# Altium PCB RFSoC-AMC.PcbDoc (part 11 of 12)
Units mm, origin at the board's own origin, x right, y up, seen from the top; angles counter-clockwise.
Board outline 180.55 x 148.45 mm, 10 copper layers (Layer 1, Layer 2, Layer 3, Layer 4, Layer 5, Layer 6, Layer 7, Layer 8, Layer 9, Layer 10), stack 1.544 mm thick; 793 components, 796 nets, 7654 pads, 16 vias.
Unrouted connection lines stored in the file: 2880.
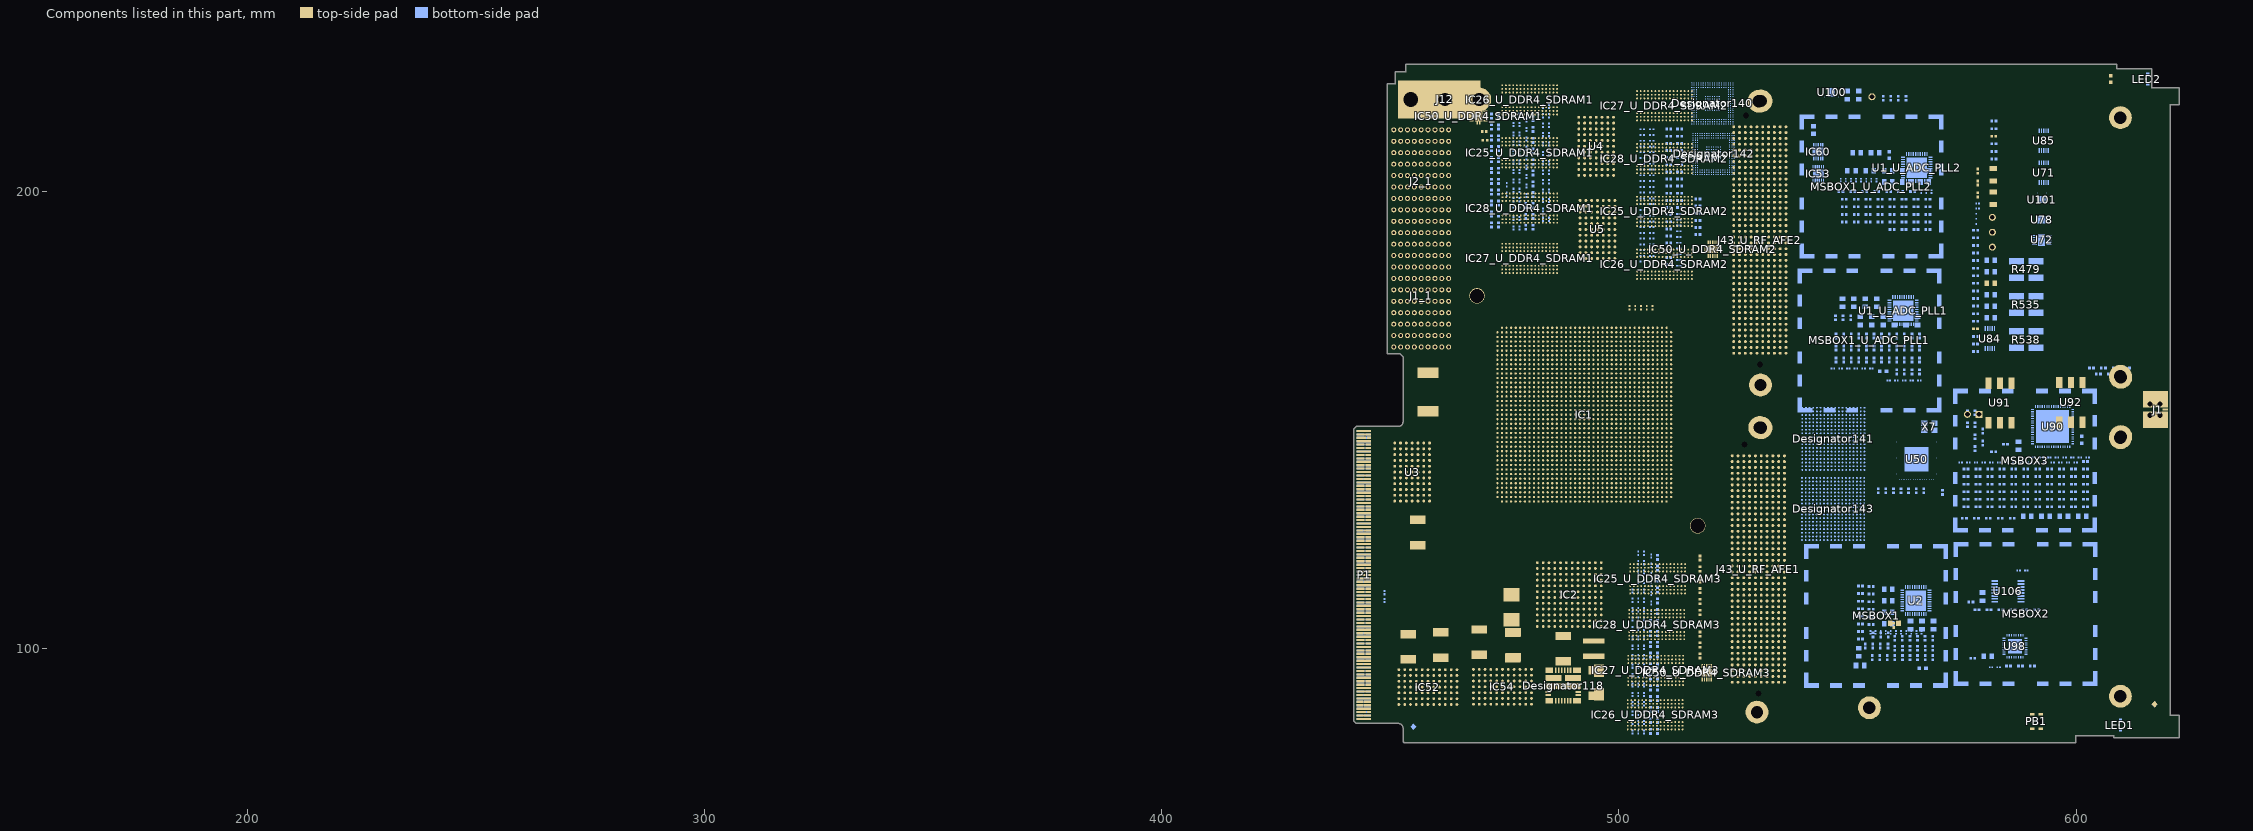
[diagram p19: the components of this part, seen from the top]

## Silkscreen, mask and mechanical layers (free items; w line width, h text height) (continued)
Drill Drawing: (continued)
  text "C" at 265.96,127.387 h0.2
  text "C" at 261.466,127.244 h0.2
  text "C" at 262.278,127.172 h0.2
  text "C" at 261.836,126.896 h0.2
  text "C" at 197.143,126.591 h0.2
  text "D" at 293.35,126.414 h0.3
  text "C" at 261.768,126.289 h0.2
  text "C" at 248.659,126.152 h0.2
  text "C" at 254.745,126.097 h0.2
  text "C" at 262.803,126.095 h0.2
  text "C" at 251.399,126.06 h0.2
  text "C" at 257.711,126.054 h0.2
  text "E" at 294.115,126.057 h0.6
  text "E" at 295.615,126.057 h0.6
  text "E" at 297.115,126.057 h0.6
  text "E" at 298.615,126.057 h0.6
  text "E" at 300.115,126.057 h0.6
  text "E" at 301.615,126.057 h0.6
  text "E" at 303.115,126.057 h0.6
  text "E" at 304.615,126.057 h0.6
  text "D" at 611.03,125.818 h0.3 r180
  text "C" at 261.727,125.71 h0.2
  text "C" at 262.673,125.407 h0.2
  text "C" at 264.995,125.192 h0.2
  text "C" at 200.865,125.086 h0.2
  text "C" at 262.169,124.752 h0.2
  text "C" at 253.195,124.49 h0.2
  text "C" at 259.178,124.49 h0.2
  text "C" at 262.76,124.423 h0.2
  text "C" at 195.934,123.984 h0.2
  text "C" at 247.924,123.922 h0.2
  text "A" at 256.531,123.919 h2.03
  text "A" at 258.213,123.913 h2.03
  text "F" at 611.151,123.754 h1 r180
  text "E" at 294.115,123.557 h0.6
  text "E" at 295.615,123.557 h0.6
  text "E" at 297.115,123.557 h0.6
  text "E" at 298.615,123.557 h0.6
  text "E" at 300.115,123.557 h0.6
  text "E" at 301.615,123.557 h0.6
  text "E" at 303.115,123.557 h0.6
  text "E" at 304.615,123.557 h0.6
  text "D" at 264.137,123.155 h0.3
  text "D" at 260.305,123.121 h0.3
  text "D" at 609.098,122.923 h0.3 r180
  text "A" at 245.908,122.489 h2.03
  text "U" at 263.2,122.38 h0.9
  text "B" at 261.182,122.348 h2.03
  text "F" at 611.074,122.345 h1 r180
  text "C" at 253.972,121.923 h0.2
  text "G" at 256.117,121.53 h0.8
  text "C" at 569.891,121.528 h0.2
  text "D" at 583.727,121.329 h0.3 r180
  text "C" at 258.238,121.261 h0.2
  text "C" at 569.748,121.265 h0.2
  text "C" at 293.194,121.128 h0.2
  text "E" at 294.115,121.057 h0.6
  text "E" at 295.615,121.057 h0.6
  text "E" at 297.115,121.057 h0.6
  text "E" at 298.615,121.057 h0.6
  text "E" at 300.115,121.057 h0.6
  text "E" at 301.615,121.057 h0.6
  text "E" at 303.115,121.057 h0.6
  text "E" at 304.615,121.057 h0.6
  text "B" at 584.274,120.979 h2.03 r180
  text "M" at 598.348,120.989 h2.55 r180
  text "F" at 611.83,120.854 h1 r180
  text "D" at 558.026,120.835 h0.3
  text "D" at 559.626,120.835 h0.3
  text "D" at 561.226,120.835 h0.3
  text "D" at 562.826,120.835 h0.3
  text "C" at 570.234,120.827 h0.2
  text "B" at 198.235,120.546 h2.03
  text "B" at 202.628,120.511 h2.03
  text "C" at 566.826,120.483 h0.2
  text "B" at 259.138,120.287 h2.03
  text "C" at 565.035,120.121 h0.2
  text "F" at 610.614,120.043 h1 r180
  text "C" at 254.432,119.938 h0.2
  text "C" at 570.615,119.915 h0.2
  text "F" at 192.362,119.835 h1
  text "C" at 569.85,119.755 h0.2
  text "C" at 566.734,119.715 h0.2
  text "C" at 569.291,119.675 h0.2
  text "C" at 256.399,119.662 h0.2
  text "C" at 199.468,119.646 h0.2
  text "C" at 567.365,119.62 h0.2
  text "B" at 582.612,119.37 h2.03 r180
  text "D" at 558.026,119.235 h0.3
  text "D" at 559.626,119.235 h0.3
  text "D" at 561.226,119.235 h0.3
  text "D" at 562.826,119.235 h0.3
  text "D" at 583.661,119.071 h0.3 r180
  text "B" at 202.913,119.055 h2.03
  text "C" at 467.316,119.021 h0.2 r270
  text "C" at 569.996,118.991 h0.2
  text "C" at 566.756,118.853 h0.2
  text "C" at 265.373,118.821 h0.2
  text "A" at 506.066,118.821 h2.03 r90
  text "C" at 482.94,118.667 h0.2
  text "C" at 486.172,118.643 h0.2
  text "C" at 477.698,118.606 h0.2
  text "E" at 294.115,118.557 h0.6
  text "E" at 295.615,118.557 h0.6
  text "E" at 297.115,118.557 h0.6
  text "E" at 298.615,118.557 h0.6
  text "E" at 300.115,118.557 h0.6
  text "E" at 301.615,118.557 h0.6
  text "E" at 303.115,118.557 h0.6
  text "E" at 304.615,118.557 h0.6
  text "D" at 472.188,118.57 h0.3
  text "B" at 582.612,118.566 h2.03 r180
  text "B" at 565.845,118.527 h2.03
  text "C" at 468.354,118.435 h0.2 r270
  text "B" at 293.443,118.353 h2.03
  text "D" at 502.146,118.356 h0.3 r90
  text "C" at 462.329,118.317 h0.2 r270
  text "B" at 201.827,118.133 h2.03
  text "B" at 583.312,118.108 h2.03 r180
  text "B" at 568.344,117.955 h2.03
  text "C" at 480.745,117.703 h0.2
  text "D" at 588.458,117.713 h0.3 r180
  text "F" at 608.82,117.656 h1 r270
  text "D" at 558.026,117.635 h0.3
  text "D" at 559.626,117.635 h0.3
  text "D" at 561.226,117.635 h0.3
  text "D" at 562.826,117.635 h0.3
  text "B" at 202.921,117.603 h2.03
  text "C" at 569.915,117.589 h0.2
  text "D" at 488.09,117.442 h0.3
  text "C" at 555.55,117.43 h0.2
  text "F" at 191.885,117.385 h1
  text "F" at 190.603,117.359 h1
  text "D" at 508.276,117.242 h0.3 r90
  text "D" at 610.58,117.226 h0.3 r270
  text "D" at 502.116,117.078 h0.3 r90
  text "B" at 202.134,117.052 h2.03
  text "D" at 466.557,116.956 h0.3 r270
  text "C" at 555.645,116.866 h0.2
  text "A" at 569.011,116.821 h2.03
  text "B" at 202.89,116.791 h2.03
  text "B" at 582.773,116.692 h2.03 r180
  text "M" at 185.6,116.655 h2.55
  text "C" at 222.96,116.651 h0.2
  text "M" at 262.6,116.655 h2.55
  text "D" at 488.21,116.611 h0.3
  text "B" at 568.331,116.607 h2.03
  text "B" at 215.275,116.564 h2.03
  text "B" at 566.154,116.429 h2.03
  text "C" at 565.899,116.362 h0.2
  text "C" at 222.376,116.322 h0.2
  text "C" at 584.354,116.321 h0.2 r180
  text "C" at 453.76,116.284 h0.2 r270
  text "D" at 467.876,116.276 h0.3 r270
  text "C" at 236.562,116.132 h0.2
  text "D" at 502.116,116.101 h0.3 r90
  text "B" at 216.483,116.091 h2.03
  text "C" at 200.942,116.061 h0.2
  text "E" at 294.115,116.057 h0.6
  text "E" at 295.615,116.057 h0.6
  text "E" at 297.115,116.057 h0.6
  text "E" at 298.615,116.057 h0.6
  text "E" at 300.115,116.057 h0.6
  text "E" at 301.615,116.057 h0.6
  text "E" at 303.115,116.057 h0.6
  text "E" at 304.615,116.057 h0.6
  text "B" at 202.452,115.971 h2.03
  text "C" at 489.563,115.913 h0.2
  text "C" at 464.314,115.903 h0.2 r270
  text "C" at 554.038,115.876 h0.2
  text "B" at 568.796,115.809 h2.03
  text "D" at 208.28,115.71 h0.3
  text "D" at 210.28,115.71 h0.3
  text "D" at 212.28,115.71 h0.3
  text "D" at 214.28,115.71 h0.3
  text "B" at 202.91,115.707 h2.03
  text "B" at 236.799,115.675 h2.03
  text "B" at 238.351,115.583 h2.03
  text "C" at 203.293,115.496 h0.2
  text "C" at 204.579,115.505 h0.2
  text "A" at 506.153,115.499 h2.03 r90
  text "B" at 564.783,115.491 h2.03
  text "A" at 507.466,115.479 h2.03 r90
  text "C" at 216.52,115.454 h0.2
  text "B" at 511.111,115.436 h2.03 r90
  text "A" at 504.669,115.409 h2.03 r90
  text "D" at 508.25,115.425 h0.3 r90
  text "C" at 454.26,115.402 h0.2 r270
  text "A" at 503.327,115.379 h2.03 r90
  text "D" at 227.85,115.33 h0.3
  text "D" at 229.45,115.33 h0.3
  text "D" at 231.05,115.33 h0.3
  text "D" at 232.65,115.33 h0.3
  text "C" at 570.61,115.329 h0.2
  text "C" at 563.942,115.309 h0.2
  text "C" at 225.464,115.29 h0.2
  text "F" at 610.221,115.286 h1 r180
  text "A" at 242.1,115.271 h2.03
  text "B" at 202.842,115.205 h2.03
  text "C" at 553.976,115.15 h0.2
  text "C" at 584.5,115.146 h0.2 r180
  text "C" at 235.121,115.065 h0.2
  text "C" at 485.691,115.053 h0.2
  text "D" at 555.744,115.047 h0.3
  text "D" at 557.744,115.047 h0.3
  text "D" at 559.744,115.047 h0.3
  text "D" at 561.744,115.047 h0.3
  text "C" at 453.877,115.005 h0.2 r270
  text "D" at 488.258,114.994 h0.3
  text "M" at 598.348,114.989 h2.55 r180
  text "C" at 222.445,114.959 h0.2
  text "D" at 514.989,114.924 h0.3 r90
  text "A" at 245.818,114.917 h2.03
  text "C" at 585.301,114.781 h0.2 r180
  text "C" at 223.076,114.736 h0.2
  text "B" at 483.153,114.577 h2.03
  text "D" at 588.458,114.579 h0.3 r180
  text "C" at 235.106,114.557 h0.2
  text "B" at 580.937,114.565 h2.03 r180
  text "C" at 216.52,114.515 h0.2
  text "C" at 454.201,114.505 h0.2 r270
  text "C" at 553.966,114.479 h0.2
  text "C" at 468.346,114.434 h0.2 r270
  text "C" at 514.45,114.405 h0.2 r90
  text "B" at 567.371,114.388 h2.03
  text "B" at 219.634,114.358 h2.03
  text "B" at 555.548,114.359 h2.03
  text "B" at 550.13,114.318 h2.03
  text "A" at 567.642,114.325 h2.03
  text "B" at 220.199,114.281 h2.03
  text "C" at 563.963,114.262 h0.2
  text "B" at 201.667,114.187 h2.03
  text "C" at 490.633,114.199 h0.2
  text "C" at 189.875,114.179 h0.2
  text "C" at 464.008,114.169 h0.2 r270
  text "B" at 584.039,114.166 h2.03 r180
  text "C" at 585.399,114.171 h0.2 r180
  text "B" at 560.336,114.103 h2.03
  text "C" at 206.211,114.06 h0.2
  text "C" at 481.993,114.081 h0.2
  text "C" at 611.015,114.075 h0.2 r180
  text "C" at 238.644,113.989 h0.2
  text "B" at 564.301,113.998 h2.03
  text "B" at 579.698,113.959 h2.03 r180
  text "C" at 608.864,113.97 h0.2 r180
  text "D" at 583.618,113.903 h0.3 r180
  text "B" at 238.976,113.816 h2.03
  text "C" at 201.004,113.803 h0.2
  text "C" at 486.937,113.758 h0.2
  text "D" at 227.85,113.73 h0.3
  text "D" at 229.45,113.73 h0.3
  text "D" at 231.05,113.73 h0.3
  text "D" at 232.65,113.73 h0.3
  text "D" at 208.28,113.71 h0.3
  text "D" at 210.28,113.71 h0.3
  text "D" at 212.28,113.71 h0.3
  text "D" at 214.28,113.71 h0.3
  text "B" at 567.198,113.72 h2.03
  text "C" at 301.45,113.657 h0.2
  text "C" at 569.539,113.669 h0.2
  text "C" at 490.592,113.648 h0.2
  text "D" at 610.559,113.586 h0.3 r270
  text "D" at 608.701,113.555 h0.3 r270
  text "B" at 549.252,113.535 h2.03
  text "D" at 488.274,113.523 h0.3
  text "C" at 507.953,113.518 h0.2 r90
  text "C" at 200.49,113.473 h0.2 r90
  text "B" at 564.311,113.427 h2.03
  text "C" at 206.229,113.4 h0.2
  text "C" at 293.786,113.36 h0.2
  text "A" at 471.834,113.354 h2.03
  text "B" at 561.471,113.307 h2.03
  text "B" at 198.726,113.248 h2.03
  text "C" at 210.992,113.247 h0.2 r90
  text "B" at 589.645,113.27 h2.03 r180
  text "C" at 570.144,113.24 h0.2
  text "B" at 197.826,113.217 h2.03
  text "B" at 584.107,113.209 h2.03 r180
  text "B" at 202.735,113.182 h2.03
  text "D" at 613.82,113.131 h0.3 r180
  text "C" at 222.906,113.112 h0.2
  text "C" at 514.601,113.118 h0.2 r90
  text "B" at 550.156,113.098 h2.03
  text "B" at 580.639,113.09 h2.03 r180
  text "C" at 172.878,113.05 h0.2 r90
  text "B" at 215.315,113.06 h2.03
  text "D" at 555.744,113.047 h0.3
  text "D" at 557.744,113.047 h0.3
  text "D" at 559.744,113.047 h0.3
  text "D" at 561.744,113.047 h0.3
  text "C" at 221.164,113.041 h0.2 r90
  text "C" at 213.848,113.017 h0.2 r90
  text "F" at 194.935,112.968 h1
  text "D" at 609.63,112.96 h0.3 r270
  text "F" at 210.13,112.919 h1 r90
  text "F" at 185.456,112.855 h1 r90
  text "F" at 186.884,112.855 h1 r90
  text "C" at 552.103,112.823 h0.2
  text "A" at 245.995,112.786 h2.03
  text "C" at 489.292,112.769 h0.2
  text "B" at 556.318,112.766 h2.03
  text "C" at 220.311,112.731 h0.2
  text "A" at 243.867,112.72 h2.03
  text "C" at 507.993,112.723 h0.2 r90
  text "B" at 557.442,112.719 h2.03
  text "D" at 567.402,112.707 h0.3
  text "B" at 559.843,112.666 h2.03
  text "D" at 563.908,112.67 h0.3
  text "B" at 564.318,112.68 h2.03
  text "C" at 206.241,112.655 h0.2
  text "B" at 565.954,112.654 h2.03
  text "C" at 252.2,112.623 h0.2
  text "D" at 471.963,112.602 h0.3
  text "B" at 561.516,112.607 h2.03
  text "C" at 577.003,112.57 h0.2 r180
  text "B" at 202.898,112.556 h2.03
  text "C" at 476.32,112.536 h0.2
  text "C" at 477.004,112.559 h0.2
  text "F" at 178.908,112.507 h1 r90
  text "C" at 293.621,112.5 h0.2
  text "C" at 203.334,112.47 h0.2
  text "C" at 296.571,112.449 h0.2
  text "D" at 608.699,112.447 h0.3 r270
  text "D" at 610.563,112.447 h0.3 r270
  text "C" at 223.033,112.424 h0.2
  text "C" at 467.466,112.339 h0.2 r270
  text "C" at 489.29,112.24 h0.2
  text "F" at 216.597,112.168 h1 r90
  text "D" at 227.85,112.13 h0.3
  text "D" at 229.45,112.13 h0.3
  text "D" at 231.05,112.13 h0.3
  text "D" at 232.65,112.13 h0.3
  text "B" at 238.124,112.145 h2.03
  text "B" at 554.073,112.152 h2.03
  text "C" at 612.19,112.151 h0.2 r180
  text "B" at 216.481,112.091 h2.03
  text "C" at 507.96,112.082 h0.2 r90
  text "B" at 584.091,112.099 h2.03 r180
  text "C" at 204.443,112.069 h0.2
  text "C" at 569.563,112.071 h0.2
  text "C" at 570.223,112.071 h0.2
  text "D" at 567.302,112.012 h0.3
  text "C" at 206.21,111.982 h0.2
  text "C" at 564.156,111.98 h0.2
  text "B" at 236.193,111.948 h2.03
  text "C" at 557.691,111.906 h0.2
  text "C" at 206.409,111.856 h0.2 r90
  text "B" at 581.41,111.87 h2.03 r180
  text "B" at 219.798,111.827 h2.03
  text "F" at 204.932,111.782 h1 r90
  text "B" at 234.95,111.794 h2.03
  text "D" at 563.83,111.774 h0.3
  text "C" at 223.277,111.766 h0.2
  text "C" at 174.706,111.729 h0.2 r90
  text "C" at 579.572,111.69 h0.2 r180
  text "B" at 204.034,111.526 h2.03
  text "C" at 577.493,111.541 h0.2 r180
  text "D" at 245.008,111.476 h0.3
  text "C" at 490.51,111.478 h0.2
  text "C" at 573.703,111.469 h0.2 r180
  text "A" at 221.226,111.439 h2.03
  text "A" at 221.73,111.431 h2.03
  text "A" at 222.24,111.434 h2.03
  text "B" at 238.06,111.4 h2.03
  text "C" at 574.41,111.4 h0.2 r180
  text "A" at 567.487,111.359 h2.03
  text "D" at 583.531,111.363 h0.3 r180
  text "F" at 194.935,111.338 h1
  text "C" at 575.822,111.333 h0.2 r180
  text "B" at 219.624,111.296 h2.03
  text "F" at 178.87,111.272 h1 r90
  text "C" at 195.137,111.278 h0.2 r90
  text "C" at 465.233,111.266 h0.2 r270
  text "D" at 613.8,111.259 h0.3 r180
  text "C" at 572.59,111.198 h0.2 r180
  text "C" at 508.013,111.173 h0.2 r90
  text "B" at 554.515,111.154 h2.03
  text "A" at 245.856,111.12 h2.03
  text "B" at 216.497,111.091 h2.03
  text "F" at 217.052,111.084 h1 r90
  text "C" at 478.814,111.062 h0.2
  text "D" at 555.744,111.047 h0.3
  text "D" at 557.744,111.047 h0.3
  text "D" at 559.744,111.047 h0.3
  text "D" at 561.744,111.047 h0.3
  text "C" at 221.743,111.02 h0.2
  text "B" at 558.245,111.031 h2.03
  text "B" at 559.915,111.023 h2.03
  text "C" at 578.953,111.034 h0.2 r180
  text "C" at 221.208,111.006 h0.2
  text "C" at 215.464,110.967 h0.2 r90
  text "B" at 562.245,110.926 h2.03
  text "B" at 220.279,110.785 h2.03
  text "C" at 476.683,110.776 h0.2
  text "C" at 554.419,110.761 h0.2
  text "C" at 472.486,110.754 h0.2
  text "C" at 553.71,110.753 h0.2
  text "D" at 588.213,110.719 h0.3 r180
  text "B" at 243.71,110.694 h2.03
  text "C" at 177.165,110.671 h0.2 r90
  text "B" at 550.195,110.672 h2.03
  text "M" at 185.604,110.651 h2.55
  text "M" at 262.605,110.651 h2.55
  text "A" at 295.09,110.629 h2.03
  text "F" at 459.465,110.602 h1 r270
  text "C" at 512.938,110.598 h0.2 r90
  text "C" at 507.93,110.563 h0.2 r90
  text "C" at 184.5,110.519 h0.2 r90
  text "C" at 225.129,110.506 h0.2
  text "C" at 203.678,110.458 h0.2 r90
  text "B" at 581.458,110.454 h2.03 r180
  text "F" at 457.306,110.436 h1 r270
  text "B" at 566.086,110.429 h2.03
  text "D" at 566.551,110.428 h0.3
  text "B" at 206.578,110.303 h2.03
  text "C" at 570.559,110.302 h0.2
  text "C" at 562.243,110.266 h0.2
  text "D" at 563.886,110.274 h0.3
  text "C" at 219.593,110.225 h0.2
  text "F" at 222.422,110.221 h1 r90
  text "A" at 295.09,110.202 h2.03
  text "A" at 245.909,110.173 h2.03
  text "B" at 579.149,110.19 h2.03 r180
  text "F" at 208.976,110.127 h1 r90
  text "B" at 203.473,110.102 h2.03
  text "C" at 293.629,110.117 h0.2
  text "C" at 490.578,110.081 h0.2
  text "C" at 222.755,110.003 h0.2
  text "C" at 224.626,109.925 h0.2
  text "B" at 551.435,109.893 h2.03
  text "C" at 569.574,109.892 h0.2
  text "D" at 293.86,109.855 h0.3
  text "A" at 512.453,109.852 h2.03 r90
  text "B" at 513.852,109.815 h2.03 r90
  text "C" at 507.93,109.783 h0.2 r90
  text "B" at 210.16,109.702 h2.03
  text "C" at 252.639,109.678 h0.2
  text "C" at 220.319,109.622 h0.2 r90
  text "C" at 255.798,109.63 h0.2
  text "F" at 590.288,109.623 h1 r180
  text "B" at 221.915,109.6 h2.03
  text "B" at 569.711,109.596 h2.03
  text "C" at 257.269,109.544 h0.2
  text "C" at 465.249,109.549 h0.2 r270
  text "C" at 467.993,109.54 h0.2 r270
  text "C" at 583.761,109.547 h0.2 r180
  text "C" at 569.197,109.524 h0.2
  text "B" at 506.112,109.501 h2.03 r90
  text "A" at 512.46,109.382 h2.03 r90
  text "B" at 550.253,109.349 h2.03
  text "B" at 513.852,109.329 h2.03 r90
  text "C" at 553.71,109.313 h0.2
  text "B" at 565.954,109.313 h2.03
  text "D" at 563.82,109.274 h0.3
  text "C" at 208.228,109.208 h0.2 r90
  text "A" at 568.286,109.2 h2.03
  text "C" at 180.383,109.166 h0.2 r90
  text "C" at 554.345,109.133 h0.2
  text "C" at 569.694,109.128 h0.2
  text "C" at 203.054,109.101 h0.2 r90
  text "C" at 213.54,109.082 h0.2 r90
  text "C" at 217.866,109.105 h0.2 r90
  text "C" at 175.083,109.067 h0.2 r90
  text "C" at 196.947,109.073 h0.2 r90
  text "C" at 254.376,109.079 h0.2
  text "B" at 513.852,108.857 h2.03 r90
  text "A" at 512.453,108.845 h2.03 r90
  text "D" at 613.774,108.811 h0.3 r180
  text "B" at 219.081,108.792 h2.03
  text "C" at 507.93,108.793 h0.2 r90
  text "C" at 555.177,108.681 h0.2
  text "C" at 463.719,108.631 h0.2 r270
  text "B" at 550.259,108.642 h2.03
  text "B" at 570.497,108.565 h2.03
  text "C" at 550.517,108.506 h0.2
  text "A" at 512.46,108.389 h2.03 r90
  text "B" at 513.852,108.358 h2.03 r90
  text "B" at 589.465,108.365 h2.03 r180
  text "D" at 218.171,108.275 h0.3
  text "B" at 504.586,108.287 h2.03 r90
  text "C" at 568.387,108.128 h0.2
  text "D" at 584.647,108.126 h0.3 r180
  text "F" at 599.148,108.128 h1 r180
  text "C" at 500.688,108.104 h0.2 r90
  text "C" at 551.72,108.023 h0.2
  text "C" at 554.996,108.014 h0.2
  text "B" at 549.555,108.005 h2.03
  text "C" at 557.042,108.005 h0.2
  text "C" at 463.139,107.905 h0.2 r270
  text "D" at 259.821,107.871 h0.3
  text "D" at 614.305,107.876 h0.3 r180
  text "C" at 554.019,107.839 h0.2
  text "C" at 612.156,107.825 h0.2 r180
  text "D" at 293.862,107.773 h0.3
  text "C" at 453.885,107.757 h0.2 r270
  text "C" at 488.421,107.668 h0.2
  text "C" at 463.78,107.625 h0.2 r270
  text "D" at 207.345,107.599 h0.3 r90
  text "D" at 209.203,107.599 h0.3 r90
  text "D" at 483.069,107.598 h0.3
  text "C" at 568.389,107.592 h0.2
  text "C" at 253.874,107.559 h0.2
  text "C" at 489.86,107.55 h0.2
  text "D" at 179.498,107.526 h0.3 r90
  text "D" at 181.366,107.526 h0.3 r90
  text "D" at 489.255,107.497 h0.3
  text "D" at 214.508,107.456 h0.3 r90
  text "B" at 554.012,107.471 h2.03
  text "D" at 174.101,107.442 h0.3 r90
  text "D" at 175.979,107.434 h0.3 r90
  text "D" at 212.656,107.44 h0.3 r90
  text "D" at 216.985,107.448 h0.3 r90
  text "D" at 218.843,107.448 h0.3 r90
  text "D" at 202.171,107.417 h0.3 r90
  text "D" at 204.033,107.424 h0.3 r90
  text "D" at 261.708,107.387 h0.3
  text "C" at 570.981,107.388 h0.2
  text "D" at 596.4,107.393 h0.3 r180
  text "D" at 171.865,107.365 h0.3 r90
  text "B" at 562.819,107.366 h2.03
  text "C" at 467.91,107.348 h0.2 r270
  text "B" at 583.761,107.34 h2.03 r180
  text "C" at 257.402,107.305 h0.2
  text "C" at 490.397,107.325 h0.2
  text "C" at 461.412,107.286 h0.2 r270
  text "C" at 566.655,107.238 h0.2
  text "D" at 567.345,107.231 h0.3
  text "B" at 570.52,107.207 h2.03
  text "B" at 559.517,107.177 h2.03
  text "B" at 563.923,107.177 h2.03
  text "B" at 224.773,107.146 h2.03
  text "C" at 296.579,107.146 h0.2
  text "D" at 208.272,107.057 h0.3 r90
  text "A" at 220.521,107.058 h2.03
  text "A" at 221.038,107.058 h2.03
  text "A" at 219.513,107.037 h2.03
  text "A" at 220.034,107.033 h2.03
  text "G" at 256.117,107.03 h0.8
  text "D" at 180.427,107.013 h0.3 r90
  text "C" at 454.02,106.996 h0.2 r270
  text "C" at 183.777,106.923 h0.2 r90
  text "D" at 213.58,106.938 h0.3 r90
  text "D" at 245.811,106.939 h0.3
  text "C" at 568.271,106.942 h0.2
  text "D" at 613.79,106.933 h0.3 r180
  text "D" at 175.026,106.918 h0.3 r90
  text "D" at 217.906,106.907 h0.3 r90
  text "C" at 466.553,106.897 h0.2 r270
  text "D" at 203.092,106.895 h0.3 r90
  text "C" at 176.651,106.863 h0.2 r90
  text "C" at 204.667,106.831 h0.2 r90
  text "C" at 483.059,106.831 h0.2
  text "C" at 501.96,106.787 h0.2 r90
  text "C" at 506.559,106.784 h0.2 r90
  text "C" at 462.52,106.679 h0.2 r270
  text "D" at 552.667,106.681 h0.3
  text "C" at 612.389,106.682 h0.2 r270
  text "C" at 220.526,106.661 h0.2
  text "D" at 584.806,106.624 h0.3 r180
  text "B" at 590.854,106.532 h2.03 r180
  text "D" at 209.2,106.461 h0.3 r90
  text "D" at 595.805,106.464 h0.3 r180
  text "D" at 181.355,106.417 h0.3 r90
  text "D" at 207.343,106.431 h0.3 r90
  text "C" at 563.482,106.416 h0.2
  text "C" at 568.356,106.426 h0.2
  text "C" at 562.944,106.396 h0.2
  text "D" at 179.498,106.387 h0.3 r90
  text "C" at 561.519,106.378 h0.2
  text "D" at 214.509,106.343 h0.3 r90
  text "D" at 175.955,106.323 h0.3 r90
  text "D" at 212.652,106.312 h0.3 r90
  text "D" at 218.834,106.312 h0.3 r90
  text "D" at 174.098,106.292 h0.3 r90
  text "D" at 204.021,106.3 h0.3 r90
  text "D" at 202.163,106.269 h0.3 r90
  text "D" at 216.977,106.281 h0.3 r90
  text "D" at 171.865,106.244 h0.3 r90
  text "C" at 210.941,106.253 h0.2 r90
  text "C" at 472.06,106.259 h0.2
  text "C" at 567.439,106.201 h0.2
  text "F" at 608.37,106.204 h1 r270
  text "C" at 460.138,106.159 h0.2 r270
  text "C" at 467.482,106.107 h0.2 r270
  text "C" at 489.556,106.082 h0.2
  text "D" at 490.769,105.848 h0.3
  text "C" at 567.819,105.82 h0.2
  text "C" at 561.019,105.793 h0.2
  text "C" at 463.452,105.77 h0.2 r270
  text "C" at 511.564,105.761 h0.2 r90
  text "B" at 221.03,105.74 h2.03
  text "B" at 219.517,105.715 h2.03
  text "B" at 220.018,105.724 h2.03
  text "D" at 293.862,105.72 h0.3
  text "C" at 467.859,105.711 h0.2 r270
  text "B" at 568.017,105.716 h2.03
  text "C" at 555.093,105.668 h0.2
  text "C" at 555.626,105.668 h0.2
  text "B" at 557.901,105.671 h2.03
  text "C" at 256.889,105.635 h0.2
  text "C" at 562.944,105.596 h0.2
  text "C" at 302.358,105.552 h0.2
  text "B" at 550.622,105.56 h2.03
  text "C" at 556.998,105.554 h0.2
  text "C" at 296.559,105.532 h0.2
  text "D" at 596.431,105.535 h0.3 r180
  text "D" at 243.689,105.52 h0.3
  text "C" at 561.78,105.524 h0.2
  text "B" at 207.96,105.498 h2.03
  text "C" at 549.274,105.49 h0.2
  text "B" at 206.672,105.463 h2.03
  text "B" at 565.521,105.46 h2.03
  text "C" at 188.557,105.424 h0.2
  text "F" at 210.96,105.446 h1 r90
  text "F" at 610.69,105.34 h1 r180
  text "C" at 514.429,105.304 h0.2 r90
  text "B" at 218.375,105.278 h2.03
  text "C" at 207.203,105.256 h0.2
  text "C" at 512.936,105.237 h0.2 r90
  text "F" at 191.111,105.219 h1
  text "C" at 511.564,105.2 h0.2 r90
  text "C" at 476.745,105.186 h0.2
  text "C" at 598.352,105.17 h0.2 r180
  text "C" at 212.575,105.149 h0.2
  text "C" at 453.338,105.147 h0.2 r270
  text "B" at 201.757,105.123 h2.03
  text "D" at 206.244,105.114 h0.3 r90
  text "D" at 583.756,105.116 h0.3 r180
  text "B" at 566.55,105.022 h2.03
  text "B" at 220.092,104.997 h2.03
  text "D" at 490.716,104.944 h0.3
  text "C" at 205.25,104.884 h0.2
  text "B" at 210.055,104.775 h2.03
  text "C" at 179.383,104.757 h0.2 r90
  text "B" at 208.53,104.759 h2.03
  text "C" at 481.824,104.758 h0.2
  text "C" at 587.255,104.746 h0.2 r180
  text "C" at 514.394,104.67 h0.2 r90
  text "C" at 511.564,104.65 h0.2 r90
  text "C" at 506.559,104.617 h0.2 r90
  text "D" at 552.667,104.613 h0.3
  text "C" at 502.205,104.593 h0.2 r90
  text "C" at 187.031,104.568 h0.2
  text "A" at 245.861,104.569 h2.03
  text "D" at 566.483,104.584 h0.3
  text "C" at 465.271,104.543 h0.2 r270
  text "C" at 507.93,104.511 h0.2 r90
  text "C" at 202.153,104.473 h0.2 r90
  text "C" at 512.936,104.461 h0.2 r90
  text "C" at 466.759,104.445 h0.2 r270
  text "C" at 503.804,104.434 h0.2 r90
  text "D" at 563.985,104.41 h0.3
  text "B" at 209.273,104.332 h2.03
  text "A" at 567.506,104.352 h2.03
  text "A" at 568.524,104.352 h2.03
  text "F" at 588.571,104.343 h1 r180
  text "B" at 210.292,104.281 h2.03
  text "C" at 216.672,104.295 h0.2 r90
  text "C" at 570.49,104.267 h0.2
  text "C" at 211.893,104.24 h0.2
  text "C" at 483.087,104.229 h0.2
  text "C" at 586.475,104.233 h0.2 r180
  text "F" at 611.19,104.23 h1 r180
  text "C" at 208.616,104.218 h0.2
  text "B" at 213.246,104.195 h2.03
  text "B" at 552.045,104.201 h2.03
  text "C" at 472.079,104.155 h0.2
  text "B" at 211.646,104.13 h2.03
  text "C" at 587.096,104.122 h0.2 r180
  text "C" at 502.205,104.051 h0.2 r90
  text "B" at 556.295,104.051 h2.03
  text "D" at 187.98,104.003 h0.3
  text "D" at 189.123,104.014 h0.3
  text "F" at 599.134,104.024 h1 r180
  text "C" at 568.017,103.957 h0.2
  text "C" at 455.335,103.93 h0.2 r270
  text "B" at 557.71,103.946 h2.03
  text "B" at 195.5,103.914 h2.03
  text "C" at 475.872,103.915 h0.2
  text "C" at 478.044,103.908 h0.2
  text "B" at 554.582,103.905 h2.03
  text "C" at 172.716,103.891 h0.2 r90
  text "C" at 563.045,103.895 h0.2
  text "B" at 559.466,103.87 h2.03
  text "D" at 192.5,103.78 h0.3
  text "D" at 193.5,103.78 h0.3
  text "D" at 195.5,103.78 h0.3
  text "C" at 567.071,103.796 h0.2
  text "C" at 586.777,103.773 h0.2 r180
  text "C" at 214.558,103.729 h0.2
  text "C" at 205.238,103.714 h0.2
  text "C" at 595.83,103.71 h0.2 r180
  text "B" at 589.678,103.653 h2.03 r180
  text "U" at 263.201,103.576 h0.9
  text "M" at 193.785,103.476 h2.55 r90
  text "M" at 199.785,103.476 h2.55 r90
  text "A" at 256.508,103.451 h2.03
  text "A" at 258.11,103.451 h2.03
  text "C" at 502.184,103.439 h0.2 r90
  text "C" at 206.443,103.404 h0.2 r90
  text "B" at 207.938,103.4 h2.03
  text "C" at 211.771,103.41 h0.2 r90
  text "F" at 219.63,103.396 h1 r90
  text "A" at 206.564,103.388 h2.03
  text "A" at 209.91,103.282 h2.03
  text "F" at 215.665,103.286 h1 r90
  text "A" at 213.246,103.26 h2.03
  text "C" at 571.267,103.255 h0.2
  text "C" at 211.877,103.184 h0.2
  text "B" at 565.641,103.181 h2.03
  text "C" at 248.305,103.142 h0.2
  text "C" at 190.79,103.113 h0.2
  text "C" at 256.948,103.136 h0.2
  text "B" at 569.19,103.112 h2.03
  text "D" at 596.37,103.09 h0.3 r180
  text "D" at 188.606,103.074 h0.3
  text "B" at 550.218,103.084 h2.03
  text "C" at 503.796,103.055 h0.2 r90
  text "B" at 568.521,103.043 h2.03
  text "F" at 588.455,103.044 h1 r180
  text "B" at 567.513,103.019 h2.03
  text "D" at 461.213,102.991 h0.3 r270
  text "D" at 583.191,102.99 h0.3 r180
  text "D" at 586.606,102.99 h0.3 r180
  text "C" at 225.346,102.942 h0.2
  text "C" at 557.923,102.943 h0.2
  text "B" at 194.5,102.914 h2.03
  text "C" at 261.406,102.878 h0.2
  text "C" at 564.133,102.863 h0.2
  text "C" at 456.606,102.835 h0.2 r270
  text "C" at 555.909,102.835 h0.2
  text "B" at 560.464,102.844 h2.03
  text "C" at 201.5,102.828 h0.2
  text "C" at 550.141,102.816 h0.2
  text "B" at 555.278,102.786 h2.03
  text "A" at 213.229,102.764 h2.03
  text "C" at 484.515,102.735 h0.2
  text "F" at 183.865,102.698 h1
  text "C" at 505.219,102.656 h0.2 r90
  text "C" at 510.177,102.671 h0.2 r90
  text "C" at 265.056,102.636 h0.2
  text "C" at 293.688,102.582 h0.2
  text "C" at 302.986,102.602 h0.2
  text "B" at 553.681,102.584 h2.03
  text "C" at 512.978,102.561 h0.2 r90
  text "C" at 514.49,102.561 h0.2 r90
  text "F" at 175.394,102.527 h1 r90
  text "C" at 467.086,102.51 h0.2 r270
  text "C" at 467.837,102.513 h0.2 r270
  text "C" at 503.79,102.527 h0.2 r90
  text "A" at 206.54,102.428 h2.03
  text "B" at 208.538,102.431 h2.03
  text "C" at 259.052,102.326 h0.2
  text "D" at 565.049,102.308 h0.3
  text "B" at 556.932,102.289 h2.03
  text "C" at 262.724,102.222 h0.2
  text "B" at 555.816,102.195 h2.03
  text "C" at 488.569,102.154 h0.2
  text "B" at 554.58,102.167 h2.03
  text "B" at 559.627,102.149 h2.03
  text "B" at 560.305,102.164 h2.03
  text "C" at 505.214,102.122 h0.2 r90
  text "C" at 510.193,102.098 h0.2 r90
  text "B" at 558.964,102.054 h2.03
  text "A" at 245.981,102.018 h2.03
  text "C" at 503.796,102.005 h0.2 r90
  text "C" at 293.929,101.972 h0.2
  text "B" at 207.205,101.954 h2.03
  text "B" at 205.905,101.918 h2.03
  text "B" at 216.5,101.914 h2.03
  text "B" at 217.5,101.914 h2.03
  text "B" at 218.5,101.914 h2.03
  text "B" at 219.5,101.914 h2.03
  text "D" at 261.508,101.901 h0.3
  text "B" at 213.246,101.86 h2.03
  text "B" at 567.482,101.857 h2.03
  text "C" at 457.214,101.822 h0.2 r270
  text "B" at 210.573,101.8 h2.03
  text "D" at 472.57,101.763 h0.3
  text "C" at 552.829,101.599 h0.2
  text "C" at 510.194,101.571 h0.2 r90
  text "B" at 553.509,101.584 h2.03
  text "B" at 554.809,101.584 h2.03
  text "D" at 262.653,101.538 h0.3
  text "B" at 559.895,101.552 h2.03
  text "C" at 558.966,101.515 h0.2
  text "B" at 558.066,101.499 h2.03
  text "C" at 259.125,101.467 h0.2
  text "C" at 225.081,101.445 h0.2
  text "C" at 512.978,101.437 h0.2 r90
  text "C" at 514.49,101.437 h0.2 r90
  text "C" at 468.885,101.33 h0.2 r270
  text "D" at 299.801,101.305 h0.3
  text "D" at 596.4,101.233 h0.3 r180
  text "D" at 301.079,101.213 h0.3
  text "C" at 598.354,101.11 h0.2 r180
  text "G" at 250.117,101.03 h0.8
  text "G" at 256.117,101.03 h0.8
  text "D" at 510.1,100.984 h0.3 r90
  text "C" at 265.1,100.952 h0.2
  text "D" at 261.488,100.903 h0.3
  text "B" at 567.945,100.924 h2.03
  text "D" at 588.016,100.903 h0.3 r180
  text "D" at 293.591,100.771 h0.3
  text "D" at 472.334,100.763 h0.3
  text "C" at 463.163,100.694 h0.2 r270
  text "B" at 554.182,100.685 h2.03
  text "C" at 253.154,100.658 h0.2
  text "C" at 552.581,100.599 h0.2
  text "B" at 555.953,100.6 h2.03
  text "C" at 457.235,100.595 h0.2 r270
  text "C" at 457.773,100.595 h0.2 r270
  text "C" at 458.312,100.595 h0.2 r270
  text "A" at 253.833,100.559 h2.03
  text "B" at 561.88,100.571 h2.03
  text "A" at 568.374,100.518 h2.03
  text "A" at 570.294,100.486 h2.03
  text "C" at 510.173,100.39 h0.2 r90
  text "D" at 243.603,100.323 h0.3
  text "D" at 244.903,100.341 h0.3
  text "C" at 259.111,100.283 h0.2
  text "D" at 587.657,100.272 h0.3 r180
  text "B" at 555.439,100.185 h2.03
  text "D" at 262.047,100.111 h0.3
  text "C" at 512.978,100.11 h0.2 r90
  text "C" at 514.49,100.11 h0.2 r90
  text "B" at 556.118,100.1 h2.03
  text "B" at 559.144,100.071 h2.03
  text "A" at 560.546,100.074 h2.03
  text "C" at 557.923,100.06 h0.2
  text "C" at 509.709,99.899 h0.2 r90
  text "B" at 557.141,99.809 h2.03
  text "C" at 569.05,99.768 h0.2
  text "C" at 562.45,99.748 h0.2
  text "E" at 295.415,99.66 h0.6
  text "E" at 297.415,99.66 h0.6
  text "E" at 299.415,99.66 h0.6
  text "C" at 570.821,99.677 h0.2
  text "F" at 596.795,99.68 h1 r180
  text "D" at 261.504,99.633 h0.3
  text "D" at 262.653,99.633 h0.3
  text "C" at 256.987,99.598 h0.2
  text "A" at 252.207,99.533 h2.03
  text "D" at 460.345,99.484 h0.3 r270
  text "C" at 510.118,99.48 h0.2 r90
  text "F" at 599.209,99.499 h1 r180
  text "D" at 462.194,99.461 h0.3 r270
  text "B" at 569.198,99.463 h2.03
  text "A" at 248.056,99.265 h2.03
  text "B" at 554.809,99.269 h2.03
  text "D" at 569.305,99.259 h0.3
  text "D" at 570.438,99.262 h0.3
  text "C" at 564.429,99.204 h0.2
  text "C" at 509.71,99.134 h0.2 r90
  text "B" at 559.895,99.129 h2.03
  text "B" at 561.163,99.137 h2.03
  text "C" at 571.168,99.114 h0.2
  text "D" at 584.643,99.072 h0.3 r180
  text "A" at 253.833,98.996 h2.03
  text "D" at 461.336,98.876 h0.3 r270
  text "C" at 468.061,98.862 h0.2 r270
  text "D" at 225.249,98.824 h0.3
  text "C" at 512.978,98.838 h0.2 r90
  text "C" at 514.49,98.838 h0.2 r90
  text "F" at 600.104,98.744 h1 r180
  text "E" at 296.415,98.66 h0.6
  text "E" at 298.415,98.66 h0.6
  text "C" at 589.314,98.643 h0.2 r180
  text "C" at 554.728,98.608 h0.2
  text "C" at 224.253,98.529 h0.2
  text "C" at 555.988,98.534 h0.2
  text "D" at 261.682,98.363 h0.3
  text "D" at 266.047,98.363 h0.3
  text "D" at 462.184,98.353 h0.3 r270
  text "D" at 569.892,98.339 h0.3
  text "D" at 460.326,98.322 h0.3 r270
  text "D" at 502.205,98.315 h0.3 r90
  text "A" at 251.292,98.27 h2.03
  text "D" at 258.693,98.222 h0.3
  text "L" at 305.365,98.21 h1.5
  text "C" at 256.219,98.034 h0.2
  text "C" at 569.093,97.988 h0.2
  text "D" at 596.237,97.773 h0.3 r180
  text "D" at 262.703,97.728 h0.3
  text "C" at 503.887,97.701 h0.2 r90
  text "D" at 261.883,97.691 h0.3
  text "E" at 295.415,97.66 h0.6
  text "E" at 297.415,97.66 h0.6
  text "E" at 299.415,97.66 h0.6
  text "C" at 512.978,97.628 h0.2 r90
  text "C" at 514.49,97.628 h0.2 r90
  text "D" at 293.591,97.569 h0.3
  text "D" at 221.702,97.485 h0.3
  text "D" at 462.849,97.368 h0.3 r270
  text "C" at 258.642,97.184 h0.2
  text "C" at 264.98,97.142 h0.2
  text "C" at 465.223,97.067 h0.2 r270
  text "C" at 582.577,97.048 h0.2 r180
  text "C" at 254.622,96.982 h0.2
  text "D" at 223.308,96.863 h0.3
  text "D" at 243.596,96.869 h0.3
  text "D" at 225.178,96.84 h0.3
  text "D" at 244.896,96.833 h0.3
  text "C" at 503.851,96.787 h0.2 r90
  text "F" at 557.118,96.707 h1
  text "C" at 588.358,96.69 h0.2 r180
  text "C" at 259.149,96.642 h0.2
  text "C" at 506.591,96.523 h0.2 r90
  text "C" at 586.621,96.533 h0.2 r180
  text "D" at 262.628,96.458 h0.3
  text "B" at 550.639,96.417 h2.03
  text "D" at 224.261,96.321 h0.3
  text "C" at 549.885,96.181 h0.2
  text "C" at 511.556,96.084 h0.2 r90
  text "A" at 570.498,96.082 h2.03
  text "A" at 568.406,96.033 h2.03
  text "C" at 514.512,95.935 h0.2 r90
  text "B" at 566.191,95.929 h2.03
  text "C" at 515.415,95.923 h0.2 r90
  text "C" at 549.102,95.902 h0.2
  text "D" at 596.268,95.916 h0.3 r180
  text "C" at 512.936,95.877 h0.2 r90
  text "C" at 551.122,95.872 h0.2
  text "C" at 551.801,95.872 h0.2
  text "C" at 264.98,95.872 h0.2
  text "D" at 225.19,95.726 h0.3
  text "C" at 510.149,95.743 h0.2 r90
  text "C" at 554.489,95.74 h0.2
  text "C" at 598.195,95.735 h0.2 r180
  text "D" at 223.333,95.695 h0.3
  text "E" at 295.415,95.66 h0.6
  text "E" at 297.415,95.66 h0.6
  text "E" at 299.415,95.66 h0.6
  text "C" at 508.338,95.652 h0.2 r90
  text "C" at 560.381,95.669 h0.2
  text "C" at 565.425,95.626 h0.2
  text "C" at 241.223,95.549 h0.2
  text "D" at 467.166,95.56 h0.3 r270
  text "C" at 514.908,95.543 h0.2 r90
  text "C" at 240.115,95.539 h0.2
  text "C" at 549.793,95.527 h0.2
  text "C" at 511.564,95.492 h0.2 r90
  text "C" at 559.413,95.431 h0.2
  text "C" at 253.837,95.376 h0.2
  text "C" at 514.394,95.362 h0.2 r90
  text "C" at 512.935,95.317 h0.2 r90
  text "C" at 552.775,95.319 h0.2
  text "C" at 259.149,95.262 h0.2
  text "C" at 265.372,95.237 h0.2
  text "C" at 510.149,95.183 h0.2 r90
  text "C" at 508.338,95.113 h0.2 r90
  text "B" at 565.595,95.087 h2.03
  text "D" at 596.886,95.088 h0.3 r180
  text "C" at 261.871,95.08 h0.2
  text "C" at 452.361,95.06 h0.2 r270
  text "C" at 261.419,94.838 h0.2
  text "C" at 515.002,94.738 h0.2 r90
  text "D" at 467.888,94.653 h0.3 r270
  text "C" at 264.98,94.602 h0.2
  text "A" at 569.744,94.587 h2.03
  text "A" at 568.555,94.574 h2.03
  text "G" at 250.117,94.53 h0.8
  text "G" at 256.117,94.53 h0.8
  text "C" at 508.337,94.52 h0.2 r90
  text "F" at 587.924,94.516 h1 r180
  text "B" at 556.702,94.433 h2.03
  text "C" at 589.681,94.401 h0.2 r180
  text "C" at 588.001,94.385 h0.2 r180
  text "C" at 510.193,94.336 h0.2 r90
  text "D" at 468.805,94.134 h0.3 r270
  text "F" at 598.692,93.981 h1 r180
  text "C" at 262.822,93.967 h0.2
  text "C" at 515.029,93.906 h0.2 r90
  text "C" at 582.921,93.897 h0.2 r180
  text "C" at 221.78,93.869 h0.2
  text "D" at 293.58,93.774 h0.3
  text "C" at 259.222,93.695 h0.2
  text "D" at 599.749,93.602 h0.3 r180
  text "D" at 467.876,93.508 h0.3 r270
  text "C" at 234.567,93.457 h0.2
  text "C" at 265.941,93.427 h0.2
  text "C" at 262.098,93.408 h0.2
  text "C" at 246.611,93.339 h0.2
  text "F" at 587.944,93.339 h1 r180
  text "F" at 598.842,93.344 h1 r180
  text "C" at 595.853,93.27 h0.2 r180
  text "D" at 223.807,93.232 h0.3
  text "C" at 551.309,93.235 h0.2
  text "C" at 551.886,93.252 h0.2
  text "D" at 222.719,93.218 h0.3
  text "D" at 224.953,93.189 h0.3
  text "D" at 226.056,93.203 h0.3
  text "C" at 550.083,92.999 h0.2
  text "C" at 589.525,92.955 h0.2 r180
  text "C" at 465.033,92.934 h0.2 r270
  text "C" at 460.435,92.869 h0.2 r270
  text "C" at 246.53,92.834 h0.2
  text "K" at 504.275,92.831 h1.35 r90
  text "C" at 230.343,92.806 h0.2
  text "C" at 262.022,92.793 h0.2
  text "C" at 461.567,92.786 h0.2 r270
  text "C" at 262.593,92.771 h0.2
  text "C" at 459.041,92.757 h0.2 r270
  text "C" at 257.931,92.735 h0.2
  text "B" at 555.908,92.713 h2.03
  text "B" at 559.366,92.644 h2.03
  text "B" at 557.634,92.586 h2.03
  text "C" at 467.251,92.56 h0.2 r270
  text "D" at 596.485,92.542 h0.3 r180
  text "C" at 232.677,92.519 h0.2
  text "C" at 465.451,92.514 h0.2 r270
  text "C" at 589.208,92.519 h0.2 r180
  text "C" at 278.276,92.48 h0.2
  text "C" at 583.895,92.483 h0.2 r180
  text "D" at 289.234,92.465 h0.3
  text "B" at 553.474,92.439 h2.03
  text "C" at 259.222,92.415 h0.2
  text "A" at 241.251,92.25 h2.03
  text "A" at 245.392,92.191 h2.03
  text "C" at 230.628,92.156 h0.2
  text "C" at 584.292,92.1 h0.2 r180
  text "C" at 465.2,92.047 h0.2 r270
  text "C" at 232.845,92.013 h0.2
  text "F" at 236.923,91.994 h1
  text "C" at 262.573,91.978 h0.2
  text "C" at 589.497,91.939 h0.2 r180
  text "D" at 285.126,91.929 h0.3
  text "D" at 282.878,91.904 h0.3
  text "D" at 284.012,91.899 h0.3
  text "D" at 272.79,91.872 h0.3
  text "C" at 229.954,91.812 h0.2
  text "D" at 297.116,91.788 h0.3
  text "C" at 584.871,91.719 h0.2 r180
  text "C" at 277.059,91.693 h0.2
  text "B" at 220.351,91.625 h2.03
  text "D" at 595.89,91.613 h0.3 r180
  text "C" at 596.103,91.628 h0.2 r180
  text "C" at 262.822,91.514 h0.2
  text "C" at 261.45,91.427 h0.2
  text "C" at 229.454,91.355 h0.2
  text "C" at 233.342,91.316 h0.2
  text "E" at 313.001,91.281 h0.6
  text "E" at 315.001,91.281 h0.6
  text "C" at 264.98,91.245 h0.2
  text "C" at 271.155,91.229 h0.2
  text "C" at 253.195,91.178 h0.2
  text "C" at 506.591,91.196 h0.2 r90
  text "C" at 227.413,91.156 h0.2
  text "D" at 294.764,91.144 h0.3
  text "D" at 295.878,91.096 h0.3
  text "A" at 254.183,90.919 h2.03
  text "A" at 256.468,90.921 h2.03
  text "B" at 221.944,90.888 h2.03
  text "C" at 267.327,90.839 h0.2
  text "C" at 226.947,90.745 h0.2
  text "C" at 256.936,90.609 h0.2
  text "C" at 511.564,90.601 h0.2 r90
  text "V" at 321.951,90.565 h2.03
  text "C" at 508.338,90.571 h0.2 r90
  text "C" at 276.44,90.427 h0.2
  text "C" at 277.118,90.346 h0.2
  text "C" at 234.171,90.311 h0.2
  text "C" at 304.435,90.335 h0.2
  text "C" at 307.598,90.298 h0.2
  text "E" at 312.001,90.281 h0.6
  text "E" at 314.001,90.281 h0.6
  text "E" at 316.001,90.281 h0.6
  text "C" at 458.793,90.247 h0.2 r270
  text "C" at 233.321,90.117 h0.2
  text "C" at 511.564,89.941 h0.2 r90
  text "C" at 508.338,89.911 h0.2 r90
  text "C" at 253.834,89.897 h0.2
  text "C" at 462.372,89.84 h0.2 r270
  text "C" at 260.029,89.818 h0.2
  text "C" at 226.99,89.78 h0.2
  text "C" at 458.39,89.797 h0.2 r270
  text "D" at 260.888,89.758 h0.3
  text "C" at 266.184,89.704 h0.2
  text "D" at 228.701,89.449 h0.3
  text "D" at 230.209,89.442 h0.3
  text "D" at 231.726,89.434 h0.3
  text "U" at 263.201,89.376 h0.9
  text "C" at 306.382,89.377 h0.2
  text "C" at 258.431,89.309 h0.2
  text "C" at 233.49,89.224 h0.2
  text "C" at 508.338,89.188 h0.2 r90
  text "C" at 511.564,89.119 h0.2 r90
  text "C" at 309.13,89.046 h0.2
  text "C" at 266.203,88.969 h0.2
  text "C" at 225.497,88.851 h0.2
  text "C" at 262.028,88.824 h0.2
  text "G" at 256.117,88.53 h0.8
  text "C" at 240.695,88.478 h0.2
  text "C" at 508.256,88.435 h0.2 r90
  text "C" at 253.816,88.426 h0.2
  text "C" at 454.504,88.419 h0.2 r270
  text "C" at 511.564,88.428 h0.2 r90
  text "C" at 304.013,88.404 h0.2
  text "D" at 262.466,88.295 h0.3
  text "E" at 312.001,88.281 h0.6
  text "E" at 314.001,88.281 h0.6
  text "E" at 316.001,88.281 h0.6
  text "D" at 230.194,87.941 h0.3
  text "D" at 231.733,87.941 h0.3
  text "D" at 228.686,87.918 h0.3
  text "C" at 307.745,87.834 h0.2
  text "C" at 302.569,87.82 h0.2
  text "C" at 245.936,87.758 h0.2
  text "C" at 454.472,87.699 h0.2 r270
  text "A" at 245.488,87.682 h2.03
  text "C" at 224.761,87.658 h0.2
  text "C" at 226.317,87.315 h0.2
  text "E" at 313.001,87.281 h0.6
  text "E" at 315.001,87.281 h0.6
  text "C" at 249.814,87.109 h0.2
  text "C" at 250.504,87.109 h0.2
  text "L" at 321.951,86.831 h1.5
  text "C" at 235.226,86.762 h0.2
  text "C" at 306.471,86.596 h0.2
  text "D" at 260.008,86.488 h0.3
  text "D" at 228.678,86.417 h0.3
  text "D" at 230.225,86.409 h0.3
  text "D" at 231.726,86.386 h0.3
  text "A" at 241.132,86.349 h2.03
  text "C" at 258.615,86.367 h0.2
  text "A" at 246.059,86.343 h2.03
  text "E" at 312.001,86.281 h0.6
  text "E" at 314.001,86.281 h0.6
  text "E" at 316.001,86.281 h0.6
  text "K" at 504.263,86.243 h1.35 r90
  text "C" at 514.91,86.019 h0.2 r90
  text "D" at 265.74,85.685 h0.3
  text "C" at 246.891,85.301 h0.2
  text "C" at 227.906,85.275 h0.2
  text "C" at 174.36,85.098 h0.2
  text "C" at 226.208,85.103 h0.2
  text "C" at 194.434,84.964 h0.2
  text "C" at 229.464,84.753 h0.2
  text "C" at 228.451,84.733 h0.2
  text "C" at 265.913,84.743 h0.2
  text "C" at 510.249,84.671 h0.2 r90
  text "C" at 506.591,84.636 h0.2 r90
  text "C" at 231.521,84.576 h0.2
  text "C" at 307.671,84.543 h0.2
  text "C" at 232.313,84.433 h0.2
  text "C" at 246.663,84.408 h0.2
  text "C" at 212.016,84.345 h0.2
  text "C" at 238.484,84.363 h0.2
  text "C" at 206.592,84.275 h0.2
  text "C" at 229.073,84.278 h0.2
  text "C" at 230.073,84.285 h0.2
  text "C" at 515.269,84.22 h0.2 r90
  text "C" at 217.436,84.139 h0.2
  text "C" at 211.527,84.019 h0.2
  text "C" at 305.171,84.029 h0.2
  text "B" at 503.988,83.925 h2.03 r90
  text "D" at 513.545,83.907 h0.3 r90
  text "C" at 230.454,83.867 h0.2
  text "D" at 510.735,83.851 h0.3 r90
  text "D" at 320.593,83.779 h0.3
  text "C" at 226.716,83.705 h0.2
  text "M" at 262.6,83.655 h2.55
  text "M" at 185.602,83.652 h2.55
  text "D" at 312.137,83.561 h0.3
  text "C" at 249.774,83.534 h0.2
  text "D" at 311.29,83.49 h0.3
  text "D" at 310.418,83.466 h0.3
  text "C" at 201.967,83.428 h0.2
  text "C" at 181.453,83.413 h0.2
  text "C" at 227.091,83.197 h0.2
  text "C" at 227.754,83.147 h0.2
  text "D" at 510.725,83.041 h0.3 r90
  text "D" at 513.539,82.929 h0.3 r90
  text "C" at 314.212,82.846 h0.2
  text "J" at 165.435,82.823 h1.1
  text "J" at 167.645,82.823 h1.1
  text "C" at 216.686,82.822 h0.2
  text "C" at 226.211,82.751 h0.2
  text "C" at 249.922,82.625 h0.2
  text "C" at 211.168,82.56 h0.2
  text "D" at 317.735,82.509 h0.3
  text "D" at 320.593,82.509 h0.3
  text "C" at 242.239,82.478 h0.2
  text "C" at 205.136,82.314 h0.2
  text "C" at 210.712,82.312 h0.2
  text "C" at 314.23,82.313 h0.2
  text "C" at 211.739,82.258 h0.2
  text "D" at 503.686,82.263 h0.3 r90
  text "C" at 247.091,82.217 h0.2
  text "C" at 248.621,82.026 h0.2
  text "D" at 513.545,81.972 h0.3 r90
  text "B" at 232.553,81.928 h2.03
  text "C" at 247.852,81.867 h0.2
  text "C" at 212.444,81.781 h0.2
  text "C" at 213.377,81.706 h0.2
  text "C" at 243.809,81.625 h0.2
  text "C" at 244.957,81.611 h0.2
  text "B" at 240.552,81.564 h2.03
  text "A" at 246.033,81.498 h2.03
  text "C" at 235.319,81.477 h0.2
  text "C" at 252.499,81.481 h0.2
  text "C" at 254.341,81.469 h0.2
  text "C" at 253.296,81.424 h0.2
  text "C" at 254.845,81.402 h0.2
  text "C" at 253.823,81.343 h0.2
  text "C" at 247.024,81.295 h0.2
  text "D" at 184.574,81.23 h0.3
  text "C" at 183.515,81.196 h0.2
  text "C" at 255.737,81.097 h0.2
  text "D" at 515.376,81.046 h0.3 r90
  text "C" at 251.759,81 h0.2
  text "C" at 251.286,80.817 h0.2
  text "C" at 252.25,80.744 h0.2
  text "C" at 181.739,80.732 h0.2
  text "C" at 250.782,80.601 h0.2
  text "C" at 245.773,80.492 h0.2
  text "J" at 165.435,80.385 h1.1
  text "J" at 167.645,80.385 h1.1
  text "D" at 183.976,80.4 h0.3
  text "B" at 216.118,80.382 h2.03
  text "C" at 250.249,80.299 h0.2
  text "C" at 181.697,80.226 h0.2
  text "C" at 256.756,79.939 h0.2
  text "D" at 207.902,79.854 h0.3
  text "D" at 209.033,79.851 h0.3
  text "C" at 177.612,79.673 h0.2
  text "C" at 186.767,79.691 h0.2
  text "C" at 197.875,79.645 h0.2
  text "C" at 316.892,79.488 h0.2
  text "D" at 183.458,79.46 h0.3
  text "D" at 184.597,79.452 h0.3
  text "C" at 315.902,79.417 h0.2
  text "C" at 256.766,79.39 h0.2
  text "C" at 257.256,79.163 h0.2
  text "M" at 268.6,79.155 h2.55
  text "M" at 305.6,79.155 h2.55
  text "C" at 203.717,79.011 h0.2
  text "D" at 208.415,78.915 h0.3
  text "C" at 245.597,78.811 h0.2
  text "C" at 251.291,78.728 h0.2
  text "C" at 184.844,78.694 h0.2
  text "D" at 248.293,78.555 h0.3
  text "D" at 254.111,78.532 h0.3
  text "C" at 204.32,78.516 h0.2
  text "C" at 215.099,78.4 h0.2
  text "C" at 256.923,78.42 h0.2
  text "C" at 250.984,78.317 h0.2
  text "D" at 320.051,78.155 h0.3
  text "C" at 173.151,78.13 h0.2
  text "C" at 243.447,78.08 h0.2
  text "C" at 212.409,78.008 h0.2
  text "D" at 207.879,77.988 h0.3
  text "D" at 209.01,77.973 h0.3
  text "C" at 217.579,77.98 h0.2
  text "C" at 245.526,77.914 h0.2
  text "C" at 251.275,77.884 h0.2
  text "B" at 259.688,77.696 h2.03
  text "C" at 181.46,77.679 h0.2
  text "C" at 256.79,77.489 h0.2
  text "C" at 251.004,77.437 h0.2
  text "C" at 212.276,77.343 h0.2
  text "C" at 208.424,77.274 h0.2
  text "C" at 174.438,76.935 h0.2
  text "C" at 245.882,76.938 h0.2
  text "D" at 317.014,76.912 h0.3
  text "D" at 320.051,76.912 h0.3
  text "C" at 250.425,76.851 h0.2
  text "C" at 251.34,76.855 h0.2
  text "C" at 242.721,76.759 h0.2
  text "C" at 177.38,76.73 h0.2
  text "C" at 213.329,76.665 h0.2
  text "C" at 302.644,76.585 h0.2
  text "B" at 197.157,76.522 h2.03
  text "C" at 256.051,76.32 h0.2
  text "C" at 243.37,76.168 h0.2
  text "C" at 198.097,76.074 h0.2
  text "C" at 203.332,75.99 h0.2
  text "C" at 198.612,75.975 h0.2
  text "C" at 302.692,75.977 h0.2
  text "C" at 250.138,75.936 h0.2
  text "C" at 249.183,75.911 h0.2
  text "B" at 173.656,75.892 h2.03
  text "C" at 254.407,75.876 h0.2
  text "C" at 202.578,75.825 h0.2
  text "C" at 248.547,75.775 h0.2
  text "C" at 253.186,75.653 h0.2
  text "B" at 252.287,75.59 h2.03
  text "C" at 245.96,75.391 h0.2
  text "C" at 320.648,75.361 h0.2
  text "C" at 321.363,75.371 h0.2
  text "C" at 254.002,75.275 h0.2
  text "C" at 194.546,75.252 h0.2
  text "C" at 306.052,75.239 h0.2
  text "C" at 251.675,75.2 h0.2
  text "C" at 307.014,75.194 h0.2
  text "C" at 311.314,75.194 h0.2
  text "C" at 307.841,75.164 h0.2
  text "C" at 310.487,75.149 h0.2
  text "C" at 312.141,75.164 h0.2
  text "C" at 308.713,75.134 h0.2
  text "C" at 309.555,75.134 h0.2
  text "C" at 246.947,75.04 h0.2
  text "C" at 205.553,74.997 h0.2
  text "C" at 206.083,75.016 h0.2
  text "C" at 206.623,75.016 h0.2
  text "C" at 177.46,74.98 h0.2
  text "C" at 204.949,74.988 h0.2
  text "C" at 259.454,74.847 h0.2
  text "C" at 171.734,74.806 h0.2
  text "C" at 254.919,74.759 h0.2
  text "C" at 258.398,74.695 h0.2
  text "B" at 247.612,74.363 h2.03
  text "C" at 312.051,73.683 h0.2
  text "N" at 184.102,73.655 h2.55
  text "B" at 188.616,72.779 h2.03
  text "Through Holes" at 243.959,71.755 h1.27
  text "Symbol" at 187.268,66.675 h1.27
  text "Diameter" at 205.084,66.675 h1.27
  text "Tolerance" at 228.559,66.675 h1.27
  text "Plated" at 248.233,66.675 h1.27
  text "Punched" at 261.548,66.675 h1.27
  text "HoleName" at 282.529,66.675 h1.27
  text "Quantity" at 305.416,66.675 h1.27
  text "A" at 190.45,62.865 h1.27
  text "-0.0000" at 229.915,62.865 h1.27
  text "Yes" at 250.106,62.865 h1.27
  text "No" at 264.717,62.865 h1.27
  text "Rnd 0.1 -Tol 0" at 279.326,62.865 h1.27
  text "431" at 308.541,62.865 h1.27
  text "B" at 190.45,60.325 h1.27
  text "-0.0000" at 229.915,60.325 h1.27
  text "Yes" at 250.106,60.325 h1.27
  text "No" at 264.717,60.325 h1.27
  text "Rnd 0.15 -Tol 0" at 278.698,60.325 h1.27
  text "487" at 308.529,60.325 h1.27
  text "C" at 190.45,57.785 h1.27
  text "Yes" at 250.106,57.785 h1.27
  text "No" at 264.717,57.785 h1.27